# Allegro board 08_038702e.brd (continued)
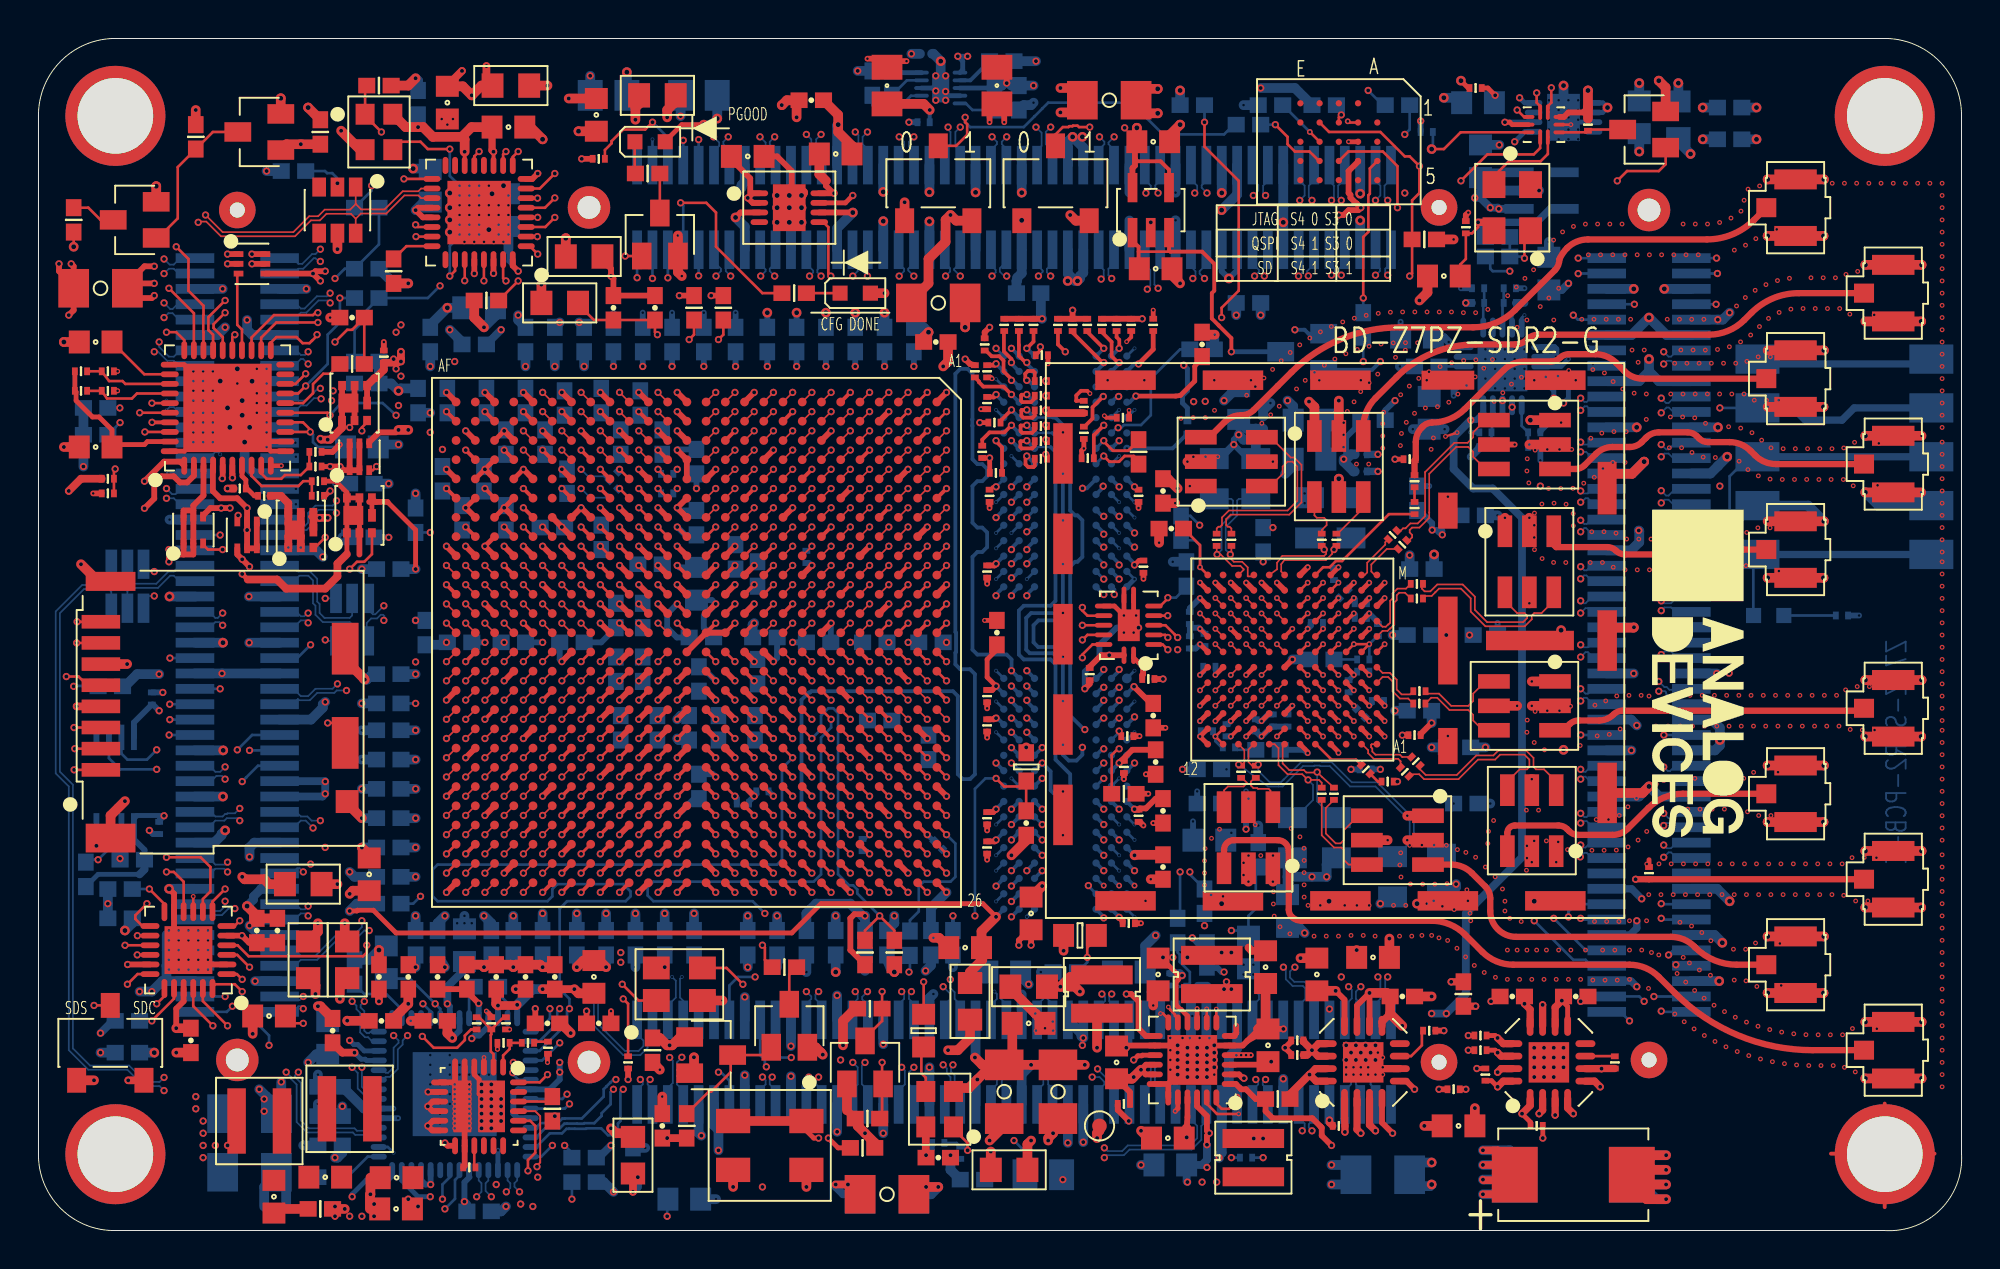
[diagram p0: board, top side]
## Footprints (pads in the part's own frame, mm; a bottom-side part is the same pattern mirrored in y, then rotated) (continued)
  rect 4.597x4.597 smd: PAD(0,0)
QFN56_8X8_PAD4_37X4_37
  oval 0.305x0.838 smd: 1(-3.25,-3.95) 2(-2.75,-3.95) 3(-2.25,-3.95) 4(-1.75,-3.95) 5(-1.25,-3.95) 6(-0.75,-3.95) 7(-0.25,-3.95) 8(0.25,-3.95) 9(0.75,-3.95) 10(1.25,-3.95) 11(1.75,-3.95) 12(2.25,-3.95) 13(2.75,-3.95) 14(3.25,-3.95) 29(3.25,3.95) 30(2.75,3.95) 31(2.25,3.95) 32(1.75,3.95) 33(1.25,3.95) 34(0.75,3.95) 35(0.25,3.95) 36(-0.25,3.95) 37(-0.75,3.95) 38(-1.25,3.95) 39(-1.75,3.95) 40(-2.25,3.95) 41(-2.75,3.95) 42(-3.25,3.95)
  oval 0.838x0.305 smd: 15(3.95,-3.25) 16(3.95,-2.75) 17(3.95,-2.25) 18(3.95,-1.75) 19(3.95,-1.25) 20(3.95,-0.75) 21(3.95,-0.25) 22(3.95,0.25) 23(3.95,0.75) 24(3.95,1.25) 25(3.95,1.75) 26(3.95,2.25) 27(3.95,2.75) 28(3.95,3.25) 43(-3.95,3.25) 44(-3.95,2.75) 45(-3.95,2.25) 46(-3.95,1.75) 47(-3.95,1.25) 48(-3.95,0.75) 49(-3.95,0.25) 50(-3.95,-0.25) 51(-3.95,-0.75) 52(-3.95,-1.25) 53(-3.95,-1.75) 54(-3.95,-2.25) 55(-3.95,-2.75) 56(-3.95,-3.25)
  rect 4.369x4.369 smd: PAD(0,0)
R0201
  rect 0.305x0.406 smd: 1(-0.318,0) 2(0.318,0)
R0402
  rect 0.889x0.813 smd: 1(-0.635,0) 2(0.635,0)
R0603
  rect 1.092x1.194 smd: 1(-0.851,0) 2(0.851,0)
SON10_2X2_PAD1_5X0_9
  oval 0.203x0.762 smd: 1(-0.8,-1) 2(-0.4,-1) 3(0,-1) 4(0.4,-1) 5(0.8,-1) 6(0.8,1) 7(0.4,1) 8(0,1) 9(-0.4,1) 10(-0.8,1)
  rect 1.499x0.889 smd: PAD(0,0)
SOT23
  rect 1.016x1.397 smd: 1(-0.94,-1.118) 2(0.94,-1.118) 3(0,1.118)
SOT23_6-2
  rect 0.711x0.991 smd: 1(-0.95,-1.2) 2(0,-1.2) 3(0.95,-1.2) 4(0.95,1.2) 5(0,1.2) 6(-0.95,1.2)
SOT-563
  rect 0.305x0.508 smd: 1(-0.508,-0.699) 2(0,-0.699) 3(0.508,-0.699) 4(0.508,0.699) 5(0,0.699) 6(-0.508,0.699)
SWSML213W98H98
  rect 0.991x1.295 smd: 1(-1.75,-1.948) 2(0,1.948) 3(1.75,-1.948)
SWSMSQ197H165
  rect 1.778x1.27 smd: 1A(-1.905,-1.27) 1B(1.905,-1.27) 2A(-1.905,1.27) 2B(1.905,1.27)
TBGA24
  round 0.33 smd: A2(-2,-1) A3(-2,0) A4(-2,1) A5(-2,2) B1(-1,-2) B2(-1,-1) B3(-1,0) B4(-1,1) B5(-1,2) C1(0,-2) C2(0,-1) C3(0,0) C4(0,1) C5(0,2) D1(1,-2) D2(1,-1) D3(1,0) D4(1,1) D5(1,2) E1(2,-2) E2(2,-1) E3(2,0) E4(2,1) E5(2,2)
TPSMC30
  round 0.762 smd: 1(0,0)
TSML150W160H160
  rect 0.762x1.651 smd: 1(-1.27,1.587) 2(0,1.587) 3(1.27,1.587) 4(1.27,-1.587) 5(0,-1.587) 6(-1.27,-1.587)
TSOT-5
  rect 0.508x1.524 smd: 1(-0.95,-1.17) 2(0,-1.17) 3(0.95,-1.17) 4(0.95,1.17) 5(-0.95,1.17)
unnamed#2
  round 5.207 hole 3.937 unplated: (0,0)
YSML98W79H35
  rect 1.092x0.991 smd: 1(-0.921,-0.72) 2(0.921,-0.72) 3(0.921,0.72) 4(-0.921,0.72)
YSML126W98H39
  rect 1.397x1.194 smd: 1(-1.199,-0.847) 2(1.199,-0.847) 3(1.199,0.847) 4(-1.199,0.847)
YSML126W98H47
  rect 1.397x1.194 smd: 1(-1.2,-0.95) 2(1.2,-0.95) 3(1.2,0.95) 4(-1.2,0.95)

## Nets
0.95V: C44.P(N1) C85.P(N1) C140.1(N1) C141.1(N1) C142.1(N1) C143.1(N1) C148.1(N1) C149.1(N1) C150.1(N1) C151.1(N1) C152.1(N1) C155.1(N1) C156.1(N1) C194.1(N1) C195.1(N1) C258.1(N1) C259.1(N1) C308.1(N1) C309.1(N1) L13.2(N2) R303.2(N2) U1.L11(VCCINT1) U1.L13(VCCINT2) U1.L15(VCCINT3) U1.M12(VCCINT4) U1.M16(VCCBRAM1) U1.N11(VCCINT5) U1.N15(VCCINT6) U1.P12(VCCINT7) U1.P16(VCCBRAM2) U1.R11(VCCINT8) U1.R15(VCCINT9) U1.T12(VCCINT10) U1.T14(VCCINT11) U1.T16(VCCBRAM3) U1.U11(VCCINT12) U1.U13(VCCINT13) U1.U15(VCCINT14) U1.V16(VCCBRAM4) U7.1(VX1)
1.0V: C67.1(N1) E4.1(N1) L5.2(N2) R23.2(N2) U4.10(VOUT1) U7.2(VX2)
1.8V: C69.1(N1) C310.1(N1) C318.1(N1) C347.1(N1) C362.1(N1) E9.1(N1) E10.1(N1) E14.1(N1) L7.2(N2) R25.2(N2) R81.2(N2) U4.22(VOUT3) U7.6(VP1) U19.1(VIN1) U19.2(VIN2) U19.3(VIN3) U19.15(VIN4) U19.16(VIN5) U20.1(VIN1) U20.2(VIN2) U20.3(VIN3) U20.15(VIN4) U20.16(VIN5)
1.8V_EN: U4.24(EN3) U7.23(PDO8)
1.35V: C68.1(N1) E2.1(N1) E3.1(N1) L6.2(N2) R24.2(N2) U4.9(VOUT2) U7.5(VX5)
3.3V: C38.1(N1) C188.1(N1) C199.1(N1) C260.1(N1) E7.1(N1) E8.1(N1) E15.1(N1) E16.1(N1) R33.1(N1) R34.1(N1) U5.6(VDD) U6.5(EN_UVLO) U6.8(VIN) U8.1(VIN) U8.3(EN) U9.1(VOUT) U9.2(SENSE)
3.3V_EN: U7.27(PDO4) U9.5(EN)
3.3V_SEQ: R34.2(N2) R35.1(N1) U7.38(AUX1)
3V3_I2C: C124.1(N1) C134.1(N1) C244.2(N2) C248.1(N1) D3.A(P) R51.1(N1) R52.1(N1) R61.1(N1) R63.1(N1) R65.1(N1) R69.2(N2) R71.2(N2) U21.8(VCCB) U23.4(SENSE/ADJ) U23.5(VOUT) U24.10(VDD) U24.16(VDRIVE) U24.17(PD_N/RST_N)
GND: C1.2(N2) C2.2(N2) C3.2(N2) C4.2(N2) C5.2(N2) C12.2(N2) C13.2(N2) C14.1(N1) C15.2(N2) C16.1(N1) C17.2(N2) C18.2(N2) C19.1(N1) C20.1(N1) C21.2(N2) C22.2(N2) C23.2(N2) C24.2(N2) C27.2(N2) C28.2(N2) C31.2(N2) C36.2(N2) C37.2(N2) C38.2(N2) C39.2(N2) C40.2(N2) C41.2(N2) C42.2(N2) C43.1(N1) C44.N(N2) C49.2(N2) C50.2(N2) C54.2(N2) C55.2(N2) C57.2(N2) C58.2(N2) C59.2(N2) C60.2(N2) C61.2(N2) C62.2(N2) C63.2(N2) C64.2(N2) C65.2(N2) C66.2(N2) C67.2(N2) C68.2(N2) C69.2(N2) C70.2(N2) C71.2(N2) C72.2(N2) C73.2(N2) C74.2(N2) C75.2(N2) C76.2(N2) C77.2(N2) C78.2(N2) C79.2(N2) C80.2(N2) C81.2(N2) C82.2(N2) C83.2(N2) C84.2(N2) C85.N(N2) C86.2(N2) C87.2(N2) C88.2(N2) C89.2(N2) C90.2(N2) C91.2(N2) C92.2(N2) C93.2(N2) C94.2(N2) C95.2(N2) C96.2(N2) C97.2(N2) C98.2(N2) C99.2(N2) C100.2(N2) C101.2(N2) C102.2(N2) C103.2(N2) C104.1(N1) C105.2(N2) C106.2(N2) C107.2(N2) C108.2(N2) C109.2(N2) C110.2(N2) C111.2(N2) C112.2(N2) C113.2(N2) C114.2(N2) C115.2(N2) C116.2(N2) C117.2(N2) C118.2(N2) C119.2(N2) C120.2(N2) C121.2(N2) C122.1(N1) C123.1(N1) C124.2(N2) C125.2(N2) C126.2(N2) C127.2(N2) C128.2(N2) C129.2(N2) C130.2(N2) C131.2(N2) C132.2(N2) C133.2(N2) C134.2(N2) C135.2(N2) C136.2(N2) C137.2(N2) C138.2(N2) C139.2(N2) C140.2(N2) C141.2(N2) C142.2(N2) C143.2(N2) C144.2(N2) C145.2(N2) C146.2(N2) C147.2(N2) C148.2(N2) C149.2(N2) C150.2(N2) C151.2(N2) C152.2(N2) C153.2(N2) C154.2(N2) C155.2(N2) C156.2(N2) C157.2(N2) C158.2(N2) C159.2(N2) C160.2(N2) C161.2(N2) C162.2(N2) C163.2(N2) C164.2(N2) C165.2(N2) C166.2(N2) C167.2(N2) C168.2(N2) C169.2(N2) C170.2(N2) C171.2(N2) C172.2(N2) C173.2(N2) C174.2(N2) C175.2(N2) C176.2(N2) C177.2(N2) C178.2(N2) C179.2(N2) C180.2(N2) C181.2(N2) C182.2(N2) C183.2(N2) C184.2(N2) C185.2(N2) C186.2(N2) C187.2(N2) C188.2(N2) C191.2(N2) C192.2(N2) C193.2(N2) C194.2(N2) C195.2(N2) C196.2(N2) C197.2(N2) C198.2(N2) C199.2(N2) C200.2(N2) C201.2(N2) C202.2(N2) C203.2(N2) C204.2(N2) C205.2(N2) C206.2(N2) C207.2(N2) C208.2(N2) C209.2(N2) C210.2(N2) C211.2(N2) C212.2(N2) C213.2(N2) C214.2(N2) C215.2(N2) C217.2(N2) C218.2(N2) C219.2(N2) C220.2(N2) C221.2(N2) C222.2(N2) C223.2(N2) C224.2(N2) C225.2(N2) C226.2(N2) C227.2(N2) C228.2(N2) C229.2(N2) C230.2(N2) C231.2(N2) C232.2(N2) C233.2(N2) C234.2(N2) C235.2(N2) C236.2(N2) C237.2(N2) C238.2(N2) C239.2(N2) C240.2(N2) C241.2(N2) C243.1(N1) C244.1(N1) C245.2(N2) C246.2(N2) C247.2(N2) C248.2(N2) C249.2(N2) C250.2(N2) C251.2(N2) C252.2(N2) C254.2(N2) C256.2(N2) C258.2(N2) C259.2(N2) C260.2(N2) C301.2(N2) C305.2(N2) C308.2(N2) C309.2(N2) C310.2(N2) C311.2(N2) C312.2(N2) C313.2(N2) C314.2(N2) C315.2(N2) C318.2(N2) C319.2(N2) C320.2(N2) C321.2(N2) C322.2(N2) C323.2(N2) C324.2(N2) C325.2(N2) C326.2(N2) C327.2(N2) C328.2(N2) C329.2(N2) C330.2(N2) C331.2(N2) C332.2(N2) C333.2(N2) C334.2(N2) C335.2(N2) C336.2(N2) C337.2(N2) C340.2(N2) C341.2(N2) C342.2(N2) C343.2(N2) C344.2(N2) C347.2(N2) C348.2(N2) C354.2(N2) C355.2(N2) C356.2(N2) C357.2(N2) C358.2(N2) C359.2(N2) C360.2(N2) C361.2(N2) C362.2(N2) C363.2(N2) C364.2(N2) C365.2(N2) E12.1(N1) J3.6(N6) J3.GND1 J3.GND2 J3.GND3 J3.GND4 JX1.15(N8) JX1.16(N8) JX1.21(N11) JX1.22(N11) JX1.27(N14) JX1.28(N14) JX1.33(N17) JX1.34(N17) JX1.39(N20) JX1.40(N20) JX1.45(N23) JX1.46(N23) JX1.51(N1) JX1.52(N1) JX1.65(N8) JX1.66(N8) JX1.71(N11) JX1.72(N11) JX1.77(N14) JX1.85(N18) JX1.86(N18) JX1.95(N23) JX1.96(N23) JX2.15(N8) JX2.16(N8) JX2.21(N11) JX2.22(N11) JX2.27(N14) JX2.28(N14) JX2.33(N17) JX2.34(N17) JX2.39(N20) JX2.40(N20) JX2.45(N23) JX2.46(N23) JX2.51(N1) JX2.52(N1) JX2.65(N8) JX2.66(N8) JX2.71(N11) JX2.72(N11) JX2.77(N14) JX2.85(N18) JX2.86(N18) JX2.91(N21) JX2.92(N21) JX3.6(N3) JX3.12(N6) JX3.17(N9) JX3.18(N9) JX3.23(N12) JX3.24(N12) JX3.29(N15) JX3.35(N18) JX3.40(N20) JX3.49(N25) JX3.50(N25) JX3.55(N3) JX3.56(N3) JX3.61(N6) JX3.62(N6) JX3.65(N8) JX3.71(N11) JX3.72(N11) JX3.77(N14) JX3.78(N14) JX3.83(N17) JX3.84(N17) JX3.89(N20) JX3.90(N20) JX3.95(N23) JX3.96(N23) JX4.5(N3) JX4.6(N3) JX4.11(N6) JX4.12(N6) JX4.17(N9) JX4.18(N9) JX4.23(N12) JX4.24(N12) JX4.29(N15) JX4.30(N15) JX4.39(N20) JX4.40(N20) JX4.49(N25) JX4.50(N25) JX4.55(N3) JX4.56(N3) JX4.61(N6) JX4.62(N6) JX4.65(N8) JX4.66(N8) JX4.71(N11) JX4.72(N11) JX4.83(N17) JX4.84(N17) JX4.89(N20) JX4.90(N20) JX4.95(N23) JX4.96(N23) M1.GND1 M1.GND2 M1.GND3 M1.GND4 M1.GND5 M1.GND6 M1.GND7 M1.GND8 M1.GND9 M1.GND10 M1.GND11 M1.GND12 M1.GND13 M1.GND14 M1.GND15 M1.GND16 M1.GND17 M1.GND18 M1.GND19 M1.GND20 M1.GND21 M1.GND22 P1.A2(N2A) P1.B2(N2B) Q1.2(S) Q2.2(S) Q3.2(S) Q4.2(S) Q6.2(S) Q14.2(S) R5.2(N2) R12.1(N1) R13.2(N2) R14.2(N2) R20.2(N2) R21.2(N2) R22.2(N2) R26.2(N2) R27.2(N2) R35.2(N2) R38.2(N2) R40.2(N2) R50.2(N2) R53.2(N2) R59.2(N2) R62.2(N2) R64.2(N2) R66.2(N2) R68.2(N2) R74.2(N2) R75.2(N2) R77.2(N2) R78.2(N2) R79.2(N2) R80.2(N2) R101.2(N2) R102.2(N2) R111.1(N1) R116.2(N2) R119.2(N2) R120.2(N2) R125.2(N2) R133.2(N2) R135.2(N2) R165.2(N2) R166.2(N2) R176.2(N2) R191.2(N2) R302.1(N1) RX1A.2(SH1) RX1A.3(SH2) RX1B.2(SH1) RX1B.3(SH2) RX2A.2(SH1) RX2A.3(SH2) RX2B.2(SH1) RX2B.3(SH2) S1.1(NO) S3.1(NO) S4.1(NO) SW1.2A(N3) SW1.2B(N4) T1.1(NC1) T1.2(PRI) T1.5(NC2) T2.1(NC1) T2.2(PRI) T2.5(NC2) T3.1(NC1) T3.2(PRI) T3.5(NC2) T4.1(NC1) T4.2(PRI) T4.5(NC2) T5.1(NC1) T5.2(PRI) T5.5(NC2) T6.1(NC1) T6.2(PRI) T6.5(NC2) T7.1(NC1) T7.2(PRI) T7.5(NC2) T8.1(NC1) T8.2(PRI) T8.5(NC2) TX1A.2(SH1) TX1A.3(SH2) TX1B.2(SH1) TX1B.3(SH2) TX2A.2(SH1) TX2A.3(SH2) TX2B.2(SH1) TX2B.3(SH2) TXM1.2(SH1) TXM1.3(SH2) TXM2.2(SH1) TXM2.3(SH2) U1.A1(GND1) U1.A11(GND2) U1.A21(GND3) U1.AA3(GND6) U1.AA7(GND7) U1.AA9(GND8) U1.AA11(GND4) U1.AA21(GND5) U1.AB1(GND9) U1.AB5(GND11) U1.AB9(GND12) U1.AB18(GND10) U1.AC3(GND15) U1.AC5(MGTXRXN2_111) U1.AC6(MGTXRXP2_111) U1.AC7(GND16) U1.AC9(GND17) U1.AC15(GND13) U1.AC25(GND14) U1.AD1(GND18) U1.AD3(MGTXRXN3_111) U1.AD4(MGTXRXP3_111) U1.AD5(GND21) U1.AD7(MGTXRXN0_111) U1.AD8(MGTXRXP0_111) U1.AD9(GND22) U1.AD12(GND19) U1.AD22(GND20) U1.AE3(GND24) U1.AE5(MGTXRXN1_111) U1.AE6(MGTXRXP1_111) U1.AE7(GND25) U1.AE9(GND26) U1.AE19(GND23) U1.AF1(GND27) U1.AF5(GND30) U1.AF9(GND31) U1.AF16(GND28) U1.AF26(GND29) U1.B8(GND33) U1.B18(GND32) U1.C5(GND36) U1.C15(GND34) U1.C25(GND35) U1.D2(GND38) U1.D12(GND37) U1.D22(GND39) U1.E9(GND41) U1.E19(GND40) U1.F6(GND44) U1.F16(GND42) U1.F26(GND43) U1.G3(GND47) U1.G13(GND45) U1.G23(GND46) U1.H10(GND48) U1.H20(GND49) U1.J7(GND51) U1.J17(GND50) U1.K4(GND54) U1.K14(GND52) U1.K24(GND53) U1.L1(GND55) U1.L10(GND56) U1.L12(GND57) U1.L14(GND58) U1.L16(GND59) U1.L18(GND60) U1.L21(GND61) U1.M9(GND66) U1.M11(GND62) U1.M15(GND63) U1.M17(GND64) U1.M19(GND65) U1.N5(GND72) U1.N10(GND67) U1.N12(GND68) U1.N16(GND69) U1.N18(GND70) U1.N25(GND71) U1.P1(GND73) U1.P2(GND78) U1.P3(GND80) U1.P4(GND81) U1.P5(GND82) U1.P6(GND83) U1.P7(GND84) U1.P9(GND85) U1.P11(GND74) U1.P15(GND75) U1.P17(GND76) U1.P19(GND77) U1.P22(GND79) U1.R3(GND90) U1.R7(GND91) U1.R10(GND86) U1.R12(GND87) U1.R16(GND88) U1.R18(GND89) U1.T1(GND92) U1.T5(GND99) U1.T9(GND100) U1.T11(GND93) U1.T13(GND94) U1.T15(GND95) U1.T17(GND96) U1.T19(GND97) U1.T26(GND98) U1.U3(GND107) U1.U7(GND108) U1.U10(GND101) U1.U12(GND102) U1.U14(GND103) U1.U16(GND104) U1.U18(GND105) U1.U23(GND106) U1.V1(GND109) U1.V5(GND112) U1.V7(GND113) U1.V13(RSVDGND) U1.V17(GND110) U1.V20(GND111) U1.W3(GND114) U1.W7(GND115) U1.Y1(GND116) U1.Y5(GND119) U1.Y7(GND120) U1.Y8(GND121) U1.Y9(GND122) U1.Y14(GND117) U1.Y24(GND118) U2.A9(VSS_1) U2.B1(VSSQ_1) U2.B3(VSS_2) U2.B9(VSSQ_2) U2.D1(VSSQ_3) U2.D8(VSSQ_4) U2.E1(VSS_3) U2.E2(VSSQ_5) U2.E8(VSSQ_6) U2.F9(VSSQ_7) U2.G1(VSSQ_8) U2.G8(VSS_4) U2.G9(VSSQ_9) U2.J2(VSS_5) U2.J8(VSS_6) U2.M1(VSS_7) U2.M9(VSS_8) U2.P1(VSS_9) U2.P9(VSS_10) U2.T1(VSS_11) U2.T9(VSS_12) U3.A9(VSS_1) U3.B1(VSSQ_1) U3.B3(VSS_2) U3.B9(VSSQ_2) U3.D1(VSSQ_3) U3.D8(VSSQ_4) U3.E1(VSS_3) U3.E2(VSSQ_5) U3.E8(VSSQ_6) U3.F9(VSSQ_7) U3.G1(VSSQ_8) U3.G8(VSS_4) U3.G9(VSSQ_9) U3.J2(VSS_5) U3.J8(VSS_6) U3.M1(VSS_7) U3.M9(VSS_8) U3.P1(VSS_9) U3.P9(VSS_10) U3.T1(VSS_11) U3.T9(VSS_12) U4.5(PGND2) U4.14(PGND1) U4.18(AGND) U4.19(PGND3) U4.PAD U5.10(GND) U6.3(GND1) U6.6(GND2) U6.PAD U7.11(AGND) U7.12(REFGND) U7.31(PDOGND) U7.40(GND) U7.PAD(EPAD) U8.2(GND) U9.3(GND1) U9.6(GND2) U9.PAD U10.PAD U11.2(GND1) U11.11(GND2) U11.PAD U13.B3(VSS) U14.4(PGND) U14.8(GND) U14.PAD U15.PAD(GND_FLAG) U16.5(REF2) U17.A4(VSSA26) U17.A6(VSSA01) U17.A12(TX_EXT_LO_IN) U17.B1(VSSA02) U17.B2(VSSA03) U17.B12(VSSA04) U17.C1(RX2C_P) U17.C2(VSSA05) U17.C4(TEST/ENABLE) U17.C7(VSSA06) U17.C8(VSSA07) U17.C9(VSSA08) U17.C10(VSSA09) U17.C11(VSSA10) U17.C12(VSSA11) U17.D1(RX2C_N) U17.D12(VSSD01) U17.F3(VSSA12) U17.F7(VSSD02) U17.F9(VSSD03) U17.F11(VSSD04) U17.G12(VSSD05) U17.H2(VSSA13) U17.H3(VSSA14) U17.H6(VSSA28) U17.H7(VSSD06) U17.H10(VSSD07) U17.J2(VSSA15) U17.K1(RX1C_P) U17.K2(VSSA16) U17.K12(VSSD08) U17.L1(RX1C_N) U17.L2(VSSA17) U17.L3(VSSA18) U17.L7(VSSA19) U17.L8(VSSA20) U17.L9(VSSA21) U17.L10(VSSA22) U17.L11(VSSA23) U17.L12(VSSA24) U17.M4(VSSA27) U17.M6(VSSA25) U18.4(GND1) U18.8(PGND1) U18.9(PGND2) U18.10(PGND3) U18.11(PGND4) U18.12(PGND5) U18.13(PGND6) U18.PAD1(GND2) U19.6(GND) U19.PAD U20.6(GND) U20.PAD U21.4(GND) U22.7(GND) U22.8(GND1) U22.9(OE_N) U22.PAD U23.2(GND) U24.6(GND1) U24.9(GND) U24.PAD Y1.2(GND) Y2.2(GND1) Y2.4(GND2) Y3.2(GND) Y4.2(GND)
VBUS: D1.2(N2) DS1.A(P) P1.A1(N1A) P1.B1(N1B)
VCC-1P35: C86.1(N1) C87.1(N1) C88.1(N1) C89.1(N1) C91.1(N1) C92.1(N1) C94.1(N1) C95.1(N1) C96.1(N1) C97.1(N1) C100.1(N1) C106.1(N1) C107.1(N1) C108.1(N1) C109.1(N1) C112.1(N1) C115.1(N1) C116.1(N1) C117.1(N1) C118.1(N1) C120.1(N1) C192.1(N1) E3.2(N2) R134.2(N2) U2.A1(VDDQ_1) U2.A8(VDDQ_2) U2.B2(VDD_1) U2.C1(VDDQ_3) U2.C9(VDDQ_4) U2.D2(VDDQ_5) U2.D9(VDD_2) U2.E9(VDDQ_6) U2.F1(VDDQ_7) U2.G7(VDD_3) U2.H2(VDDQ_8) U2.H9(VDDQ_9) U2.K2(VDD_4) U2.K8(VDD_5) U2.N1(VDD_6) U2.N9(VDD_7) U2.R1(VDD_8) U2.R9(VDD_9) U3.A1(VDDQ_1) U3.A8(VDDQ_2) U3.B2(VDD_1) U3.C1(VDDQ_3) U3.C9(VDDQ_4) U3.D2(VDDQ_5) U3.D9(VDD_2) U3.E9(VDDQ_6) U3.F1(VDDQ_7) U3.G7(VDD_3) U3.H2(VDDQ_8) U3.H9(VDDQ_9) U3.K2(VDD_4) U3.K8(VDD_5) U3.N1(VDD_6) U3.N9(VDD_7) U3.R1(VDD_8) U3.R9(VDD_9) U14.1(VDDQSNS)
VCC-3P3V: C43.2(N2) C196.1(N1) E7.2(N2) R178.1(N1) R221.1(N1) R222.1(N1) U14.10(VDD)
VCC-3P3V-IO: C41.1(N1) C42.1(N1) C57.1(N1) C184.1(N1) C197.1(N1) D4.A(P) E8.2(N2) J3.4(N4) R4.1(N1) R8.1(N1) R109.1(N1) R167.1(N1) R168.1(N1) R169.2(N2) S1.3(NCP) U1.U8(RSVDVCC3) U1.V8(RSVDVCC2) U1.V12(VCCO_0_1) U1.V14(VCCO_0_2) U1.W8(RSVDVCC1) U11.17(VCCB1) U11.21(VCCB0) U15.20(VDD33) U15.21(VBAT)
VCCO-DDR: C121.1(N1) C125.1(N1) C126.1(N1) C127.1(N1) C128.1(N1) C129.1(N1) C130.1(N1) C131.1(N1) C132.1(N1) C135.1(N1) C136.1(N1) C137.1(N1) C138.1(N1) C139.1(N1) C193.1(N1) E2.2(N2) U1.H25(VCCO_DDR_502_1) U1.J22(VCCO_DDR_502_2) U1.L26(VCCO_DDR_502_3) U1.M23(VCCO_DDR_502_4) U1.N20(VCCO_DDR_502_5) U1.R24(VCCO_DDR_502_6) U1.T21(VCCO_DDR_502_7) U1.V25(VCCO_DDR_502_8) U1.W22(VCCO_DDR_502_9)
VCCO_1P8V: C37.1(N1) C70.1(N1) C71.1(N1) C72.1(N1) C90.1(N1) C93.1(N1) C98.1(N1) C249.1(N1) C250.1(N1) Q12.4(S) U1.A16(VCCO_35_1) U1.B13(VCCO_35_2) U1.E14(VCCO_35_3) U1.F11(VCCO_35_4) U1.H15(VCCO_35_5) U1.J12(VCCO_35_6)
VCCO_1P8V_EN: Q12.3(G) U7.24(PDO7)
VCCO_12: C111.1(N1) C144.1(N1) C146.1(N1) C153.1(N1) C157.1(N1) C160.1(N1) Q11.4(S1) Q11.PAD2(S2) U1.AA16(VCCO_12_1) U1.AB13(VCCO_12_2) U1.AC10(VCCO_12_3) U1.AD17(VCCO_12_4) U1.AE14(VCCO_12_5) U1.AF11(VCCO_12_6)
VCCO_12_13_EN: Q9.3(G) Q11.3(G) U7.29(PDO2)
VCCO_13: C167.1(N1) C169.1(N1) C170.1(N1) C171.1(N1) C185.1(N1) C186.1(N1) C243.2(N2) Q9.4(S1) Q9.PAD2(S2) R57.1(N1) R58.1(N1) U1.AA26(VCCO_13_1) U1.AB23(VCCO_13_2) U1.AC20(VCCO_13_3) U1.AE24(VCCO_13_4) U1.AF21(VCCO_13_5) U1.Y19(VCCO_13_6) U21.1(VCCA)
VCCO_33_34: C15.1(N1) C17.1(N1) C18.1(N1) C27.1(N1) C28.1(N1) C31.1(N1) C99.1(N1) C110.1(N1) C114.1(N1) C145.1(N1) C147.1(N1) C154.1(N1) C246.1(N1) Q10.4(S) U1.A6(VCCO_34_1) U1.B3(VCCO_34_2) U1.C10(VCCO_34_3) U1.D7(VCCO_34_4) U1.E4(VCCO_33_1) U1.F1(VCCO_33_2) U1.G8(VCCO_34_5) U1.H5(VCCO_33_3) U1.J2(VCCO_33_4) U1.K9(VCCO_34_6) U1.L6(VCCO_33_5) U1.M3(VCCO_33_6) U22.14(VCCB)
VCCO_33_34_EN: Q10.3(G) U7.28(PDO3)
VCCPCOM-1P8V: C39.1(N1) C40.1(N1) C54.1(N1) C55.1(N1) C82.1(N1) C83.1(N1) C119.1(N1) C166.1(N1) C168.1(N1) C172.1(N1) C174.1(N1) C175.1(N1) C176.1(N1) C177.1(N1) C179.1(N1) C180.1(N1) C181.1(N1) C182.1(N1) C183.1(N1) C187.1(N1) C198.1(N1) E1.1(N1) E9.2(N2) L12.1(N1) Q5.1(G) Q12.1(D1) Q12.2(D2) Q12.5(D3) Q12.6(D4) R3.1(N1) R6.1(N1) R7.1(N1) R9.1(N1) R28.1(N1) R31.1(N1) R32.1(N1) R36.1(N1) R37.1(N1) R76.1(N1) R194.1(N1) S3.3(NCP) S4.3(NCP) U1.A26(VCCO_MIO0_500_1) U1.B23(VCCO_MIO0_500_2) U1.C20(VCCO_MIO1_501_1) U1.D17(VCCO_MIO1_501_2) U1.E24(VCCO_MIO0_500_3) U1.F21(VCCO_MIO1_501_3) U1.G18(VCCO_MIO1_501_4) U1.K18(VCCO_MIO1_501_5) U1.L19(VCCPAUX1) U1.M10(VCCAUX_IO_G0_1) U1.N9(VCCAUX1) U1.N19(VCCPAUX2) U1.P8(VCCAUX2) U1.P10(VCCAUX_IO_G0_2) U1.R9(VCCAUX3) U1.R19(VCCPAUX3) U1.T8(VCCAUX4) U1.T10(VCCAUX_IO_G0_3) U1.U9(VCCAUX5) U1.U19(VCCPAUX4) U1.V6(MGTVCCAUX) U1.V10(VCCAUX6) U11.5(VCCA) U13.B4(VCC) U15.8(REFSEL0) U15.11(REFSEL1) U15.14(REFSEL2) U15.28(VDD18_1) U15.30(VDD18_2) U15.32(VDDIO) Y1.4(VDD) Y3.4(VDD)
VCCPINT: C159.1(N1) C161.1(N1) C162.1(N1) C163.1(N1) C164.1(N1) C173.1(N1) C191.1(N1) E4.2(N2) U1.L17(VCCPINT1) U1.N17(VCCPINT2) U1.P18(VCCPINT3) U1.R17(VCCPINT4) U1.T18(VCCPINT5) U1.U17(VCCPINT6)
VDD_INTERFACE: C245.1(N1) C348.1(N1) C354.1(N1) C355.1(N1) C356.1(N1) C357.1(N1) C363.1(N1) E10.2(N2) R306.2(N2) U17.H12(VDD_INTERFACE) U22.1(VCCA)
VDDA_GPO: C319.1(N1) C358.1(N1) C359.1(N1) C360.1(N1) C361.1(N1) E11.2(N2) R67.1(N1) U17.B8(VDDA_GPO)
VDDA_GPO_PWR: C200.1(N1) E11.1(N1) JX4.9(N5) U6.1(VOUT) U6.2(SENSE_ADJ)
VDDCAP: C205.1(N1) R30.1(N1) R39.1(N1) U7.39(VDDCAP)
VIN: C36.1(N1) C61.1(N1) C62.1(N1) C65.1(N1) C66.1(N1) C301.1(N1) C364.1(N1) C365.1(N1) Q13.4(S1) Q13.PAD2(S2) R29.1(N1) R43.1(N1) R56.1(N1) TP2.1(N1) U4.3(VIN2) U4.13(MODE) U4.16(VIN1) U4.17(AVIN) U4.21(VIN3) U9.8(VIN) U18.16(PVIN1) U18.17(PVIN2) U18.18(PVIN3) U18.19(PVIN4)
VIN_EN: Q13.3(G) U7.30(PDO1)
1P3_SUPPLY_A: C312.1(N1) C313.1(N1) C314.1(N1) C315.1(N1) C320.1(N1) C321.1(N1) C322.1(N1) C323.1(N1) C326.1(N1) C327.1(N1) C328.1(N1) C329.1(N1) U17.B9(VDDA1P3_TX_LO) U17.B10(VDDA1P3_TX_VCO_LDO) U17.E2(VDDA1P3_RX_LO) U17.F2(VDDA1P3_RX_VCO_LDO) U17.J3(VDDA1P3_RX_SYNTH) U17.K3(VDDA1P3_TX_SYNTH) U19.9(SENSE) U19.10(VOUT1) U19.11(VOUT2) U19.12(VOUT3) U19.13(VOUT4) U19.14(VOUT5) U24.18(VIN0)
1P3_SUPPLY_B: C1.1(N1) C2.1(N1) C3.1(N1) C4.1(N1) C14.2(N2) C16.2(N2) C19.2(N2) C20.2(N2) C21.1(N1) C22.1(N1) C23.1(N1) C24.1(N1) C324.1(N1) C325.1(N1) C330.1(N1) C331.1(N1) C332.1(N1) C333.1(N1) C334.1(N1) C335.1(N1) C336.1(N1) C337.1(N1) C341.1(N1) C342.1(N1) C343.1(N1) C344.1(N1) L1.1(N1) L2.1(N1) L3.1(N1) L4.1(N1) L8.1(N1) L9.1(N1) L10.1(N1) L11.1(N1) U17.D2(VDDA1P3_RX_RF) U17.D3(VDDA1P3_RX_TX) U17.E3(VDDA1P3_TX_LO_BUFFER) U17.F12(VDDD1P3_DIG) U17.K4(VDDA1P3_BB) U20.9(SENSE) U20.10(VOUT1) U20.11(VOUT2) U20.12(VOUT3) U20.13(VOUT4) U20.14(VOUT5) U24.19(VIN1)
9361_XTAL: C165.1(N1) C216.2(N2) U17.M12(XTALN)
AD9361_CLK: JX4.63(N7) R5.1(N1) U5.1(S1A)
AUXADC: JX4.7(N4) U17.L5(AUXADC)
AUXDAC1: JX4.8(N4) U17.B3(AUXDAC1)
AUXDAC2: JX4.10(N5) U17.C3(AUXDAC2)
CARRIER_RESET: JX1.6(N3) Q5.3(D) R8.2(N2)
CTRL_IN0: U17.C5(CTRL_IN0) U22.2(A0)
CTRL_IN1: U17.C6(CTRL_IN1) U22.3(A1)
CTRL_IN2: U17.D6(CTRL_IN2) U22.4(A2)
CTRL_IN3: U17.D5(CTRL_IN3) U22.5(A3)
DDR3_A0: R136.1(N1) U1.K22(PS_DDR_A0_502) U2.N3(A0) U3.N3(A0)
DDR3_A1: R137.1(N1) U1.K20(PS_DDR_A1_502) U2.P7(A1) U3.P7(A1)
DDR3_A2: R138.1(N1) U1.N21(PS_DDR_A2_502) U2.P3(A2) U3.P3(A2)
DDR3_A3: R139.1(N1) U1.L22(PS_DDR_A3_502) U2.N2(A3) U3.N2(A3)
DDR3_A4: R140.1(N1) U1.M20(PS_DDR_A4_502) U2.P8(A4) U3.P8(A4)
DDR3_A5: R141.1(N1) U1.N22(PS_DDR_A5_502) U2.P2(A5) U3.P2(A5)
DDR3_A6: R143.1(N1) U1.L20(PS_DDR_A6_502) U2.R8(A6) U3.R8(A6)
DDR3_A7: R144.1(N1) U1.J21(PS_DDR_A7_502) U2.R2(A7) U3.R2(A7)
DDR3_A8: R145.1(N1) U1.T20(PS_DDR_A8_502) U2.T8(A8) U3.T8(A8)
DDR3_A9: R146.1(N1) U1.U20(PS_DDR_A9_502) U2.R3(A9) U3.R3(A9)
DDR3_A10: R147.1(N1) U1.M22(PS_DDR_A10_502) U2.L7(A10/AP) U3.L7(A10/AP)
DDR3_A11: R148.1(N1) U1.H21(PS_DDR_A11_502) U2.R7(A11) U3.R7(A11)
DDR3_A12: R149.1(N1) U1.P20(PS_DDR_A12_502) U2.N7(A12/BC#) U3.N7(A12/BC#)
DDR3_A13: R150.1(N1) U1.J20(PS_DDR_A13_502) U2.T3(A13) U3.T3(A13)
DDR3_A14: R151.1(N1) U1.R20(PS_DDR_A14_502) U2.T7(A14) U3.T7(A14)
DDR3_BA0: R152.1(N1) U1.U22(PS_DDR_BA0_502) U2.M2(BA0) U3.M2(BA0)
DDR3_BA1: R153.1(N1) U1.T22(PS_DDR_BA1_502) U2.N8(BA1) U3.N8(BA1)
DDR3_BA2: R154.1(N1) U1.R22(PS_DDR_BA2_502) U2.M3(BA2) U3.M3(BA2)
DDR3_CAS#: R159.1(N1) U1.Y23(PS_DDR_CAS_B_502) U2.K3(CAS#) U3.K3(CAS#)
DDR3_CK_N: R142.2(N2) U1.P21(PS_DDR_CKN_502) U2.K7(CK#) U3.K7(CK#)
DDR3_CK_P: R142.1(N1) U1.R21(PS_DDR_CKP_502) U2.J7(CK) U3.J7(CK)
DDR3_CKE: R160.1(N1) U1.U21(PS_DDR_CKE_502) U2.K9(CKE) U3.K9(CKE)
DDR3_CS#: R163.1(N1) U1.Y21(PS_DDR_CS_B_502) U2.L2(CS#) U3.L2(CS#)
DDR3_DM0: U1.G24(PS_DDR_DM0_502) U2.E7(LDM)
DDR3_DM1: U1.K25(PS_DDR_DM1_502) U2.D3(UDM)
DDR3_DM2: U1.P26(PS_DDR_DM2_502) U3.E7(LDM)
DDR3_DM3: U1.V26(PS_DDR_DM3_502) U3.D3(UDM)
DDR3_DQ0: U1.J26(PS_DDR_DQ0_502) U2.E3(DQ0)
DDR3_DQ1: U1.F25(PS_DDR_DQ1_502) U2.F7(DQ1)
DDR3_DQ2: U1.J25(PS_DDR_DQ2_502) U2.F2(DQ2)
DDR3_DQ3: U1.G26(PS_DDR_DQ3_502) U2.F8(DQ3)
DDR3_DQ4: U1.H26(PS_DDR_DQ4_502) U2.H3(DQ4)
DDR3_DQ5: U1.H23(PS_DDR_DQ5_502) U2.H8(DQ5)
DDR3_DQ6: U1.J24(PS_DDR_DQ6_502) U2.G2(DQ6)
DDR3_DQ7: U1.J23(PS_DDR_DQ7_502) U2.H7(DQ7)
DDR3_DQ8: U1.K26(PS_DDR_DQ8_502) U2.D7(DQ8)
DDR3_DQ9: U1.L23(PS_DDR_DQ9_502) U2.C3(DQ9)
DDR3_DQ10: U1.M26(PS_DDR_DQ10_502) U2.C8(DQ10)
DDR3_DQ11: U1.K23(PS_DDR_DQ11_502) U2.C2(DQ11)
DDR3_DQ12: U1.M25(PS_DDR_DQ12_502) U2.A7(DQ12)
DDR3_DQ13: U1.N24(PS_DDR_DQ13_502) U2.A2(DQ13)
DDR3_DQ14: U1.M24(PS_DDR_DQ14_502) U2.B8(DQ14)
DDR3_DQ15: U1.N23(PS_DDR_DQ15_502) U2.A3(DQ15)
DDR3_DQ16: U1.R26(PS_DDR_DQ16_502) U3.E3(DQ0)
DDR3_DQ17: U1.P24(PS_DDR_DQ17_502) U3.F7(DQ1)
DDR3_DQ18: U1.N26(PS_DDR_DQ18_502) U3.F2(DQ2)
DDR3_DQ19: U1.P23(PS_DDR_DQ19_502) U3.F8(DQ3)
DDR3_DQ20: U1.T24(PS_DDR_DQ20_502) U3.H3(DQ4)
DDR3_DQ21: U1.T25(PS_DDR_DQ21_502) U3.H8(DQ5)
DDR3_DQ22: U1.T23(PS_DDR_DQ22_502) U3.G2(DQ6)
DDR3_DQ23: U1.R23(PS_DDR_DQ23_502) U3.H7(DQ7)
DDR3_DQ24: U1.V24(PS_DDR_DQ24_502) U3.D7(DQ8)
DDR3_DQ25: U1.U26(PS_DDR_DQ25_502) U3.C3(DQ9)
DDR3_DQ26: U1.U24(PS_DDR_DQ26_502) U3.C8(DQ10)
DDR3_DQ27: U1.U25(PS_DDR_DQ27_502) U3.C2(DQ11)
DDR3_DQ28: U1.W26(PS_DDR_DQ28_502) U3.A7(DQ12)
DDR3_DQ29: U1.Y25(PS_DDR_DQ29_502) U3.A2(DQ13)
DDR3_DQ30: U1.Y26(PS_DDR_DQ30_502) U3.B8(DQ14)
DDR3_DQ31: U1.W23(PS_DDR_DQ31_502) U3.A3(DQ15)
DDR3_DQS0_N: U1.G25(PS_DDR_DQS_N0_502) U2.G3(LDQS#)
DDR3_DQS0_P: U1.H24(PS_DDR_DQS_P0_502) U2.F3(LDQS)
DDR3_DQS1_N: U1.L25(PS_DDR_DQS_N1_502) U2.B7(UDQS#)
DDR3_DQS1_P: U1.L24(PS_DDR_DQS_P1_502) U2.C7(UDQS)
DDR3_DQS2_N: U1.R25(PS_DDR_DQS_N2_502) U3.G3(LDQS#)
DDR3_DQS2_P: U1.P25(PS_DDR_DQS_P2_502) U3.F3(LDQS)
DDR3_DQS3_N: U1.W25(PS_DDR_DQS_N3_502) U3.B7(UDQS#)
DDR3_DQS3_P: U1.W24(PS_DDR_DQS_P3_502) U3.C7(UDQS)
DDR3_ODT: R162.1(N1) U1.Y22(PS_DDR_ODT_502) U2.K1(ODT) U3.K1(ODT)
DDR3_RAS#: R156.1(N1) U1.V23(PS_DDR_RAS_B_502) U2.J3(RAS#) U3.J3(RAS#)
DDR3_RST#: R133.1(N1) U1.H22(PS_DDR_DRST_B_502) U2.T2(RESET#) U3.T2(RESET#)
DDR3_WE#: R155.1(N1) U1.V22(PS_DDR_WE_B_502) U2.L3(WE#) U3.L3(WE#)
DX_0_N: JX1.100(N25) U1.R13(DXN_0)
DX_0_P: JX1.98(N24) U1.R14(DXP_0)
ETH_MD1_N: JX3.53(N2) U10.27(MDIN(0))
ETH_MD1_P: JX3.51(N1) U10.28(MDIP(0))
ETH_MD2_N: JX3.54(N2) U10.23(MDIN(1))
ETH_MD2_P: JX3.52(N1) U10.24(MDIP(1))
ETH_MD3_N: JP2.1(A) U10.21(MDIN(2))
ETH_MD3_P: JP1.1(A) U10.22(MDIP(2))
ETH_MD4_N: JP4.1(A) U10.17(MDIN(3))
ETH_MD4_P: JP3.1(A) U10.18(MDIP(3))
ETH_PHY_LED0: JX3.47(N24) R18.2(N2)
ETH_PHY_LED1: JX3.48(N24) R17.2(N2)
FB0V95: R49.2(N2) R302.2(N2) R303.1(N1) U18.2(FB)
FB1V0: R20.1(N1) R23.1(N1) R47.2(N2) U4.11(FB1)
FB1V8: R22.1(N1) R25.1(N1) R46.2(N2) U4.23(FB3)
FB1V35: R21.1(N1) R24.1(N1) R48.2(N2) U4.8(FB2)
FB_0V95: C215.1(N1) R45.2(N2) R49.1(N1)
FB_1V0: C209.1(N1) R42.2(N2) R47.1(N1)
FB_1V8: C207.1(N1) R41.2(N2) R46.1(N1)
FB_1V35: C213.1(N1) R44.2(N2) R48.1(N1)
FPGA_DONE: JX1.8(N4) R172.2(N2) U1.W9(DONE_0)
FPGA_VBATT: JX1.7(N4) R9.2(N2) U1.V15(VCCBATT_0) U24.20(VIN2)
GPO0: JX4.1(N1) U17.B7(GPO_0)
GPO1: JX4.2(N1) U17.B6(GPO_1)
GPO2: JX4.3(N2) U17.B5(GPO_2)
GPO3: JX4.4(N2) U17.B4(GPO_3)
INIT_B_0_JX2_09: JX2.9(N5) R168.2(N2) U1.R8(INIT_B_0)
IO_00_12_JX4: JX4.14(N7) U1.W14(IO_0_12)
IO_00_13_JX2: JX2.13(N7) U1.V19(IO_0_13)
IO_00_33_JX1: JX1.9(N5) U1.L9(IO_0_VRN_33)
IO_00_34_AD9361_CLKSEL: Q6.1(G) R54.1(N1) U1.K11(IO_0_VRN_34)
IO_00_35_AD9361_RST: U1.H16(IO_0_VRN_35) U17.K5(RESETB)
IO_25_12_JX4: JX4.16(N8) U1.W17(IO_25_12)
IO_25_13_JX2: JX2.14(N7) U1.V18(IO_25_13)
IO_25_33_JX1: JX1.10(N5) U1.N8(IO_25_VRP_33)
IO_25_34_JX4: JX4.64(N7) U1.K10(IO_25_VRP_34)
IO_25_35_AD9361_CLKOUT: U1.K12(IO_25_VRP_35) U17.J6(CLK_OUT)
IO_L01_12_JX3_N: JX3.22(N11) U1.Y11(IO_L1N_T0_12)
IO_L01_12_JX3_P: JX3.20(N10) U1.Y12(IO_L1P_T0_12)
IO_L01_13_JX2_N: JX2.3(N2) U1.AB25(IO_L1N_T0_13)
